# Allegro board parallella_gen1.brd (continued)
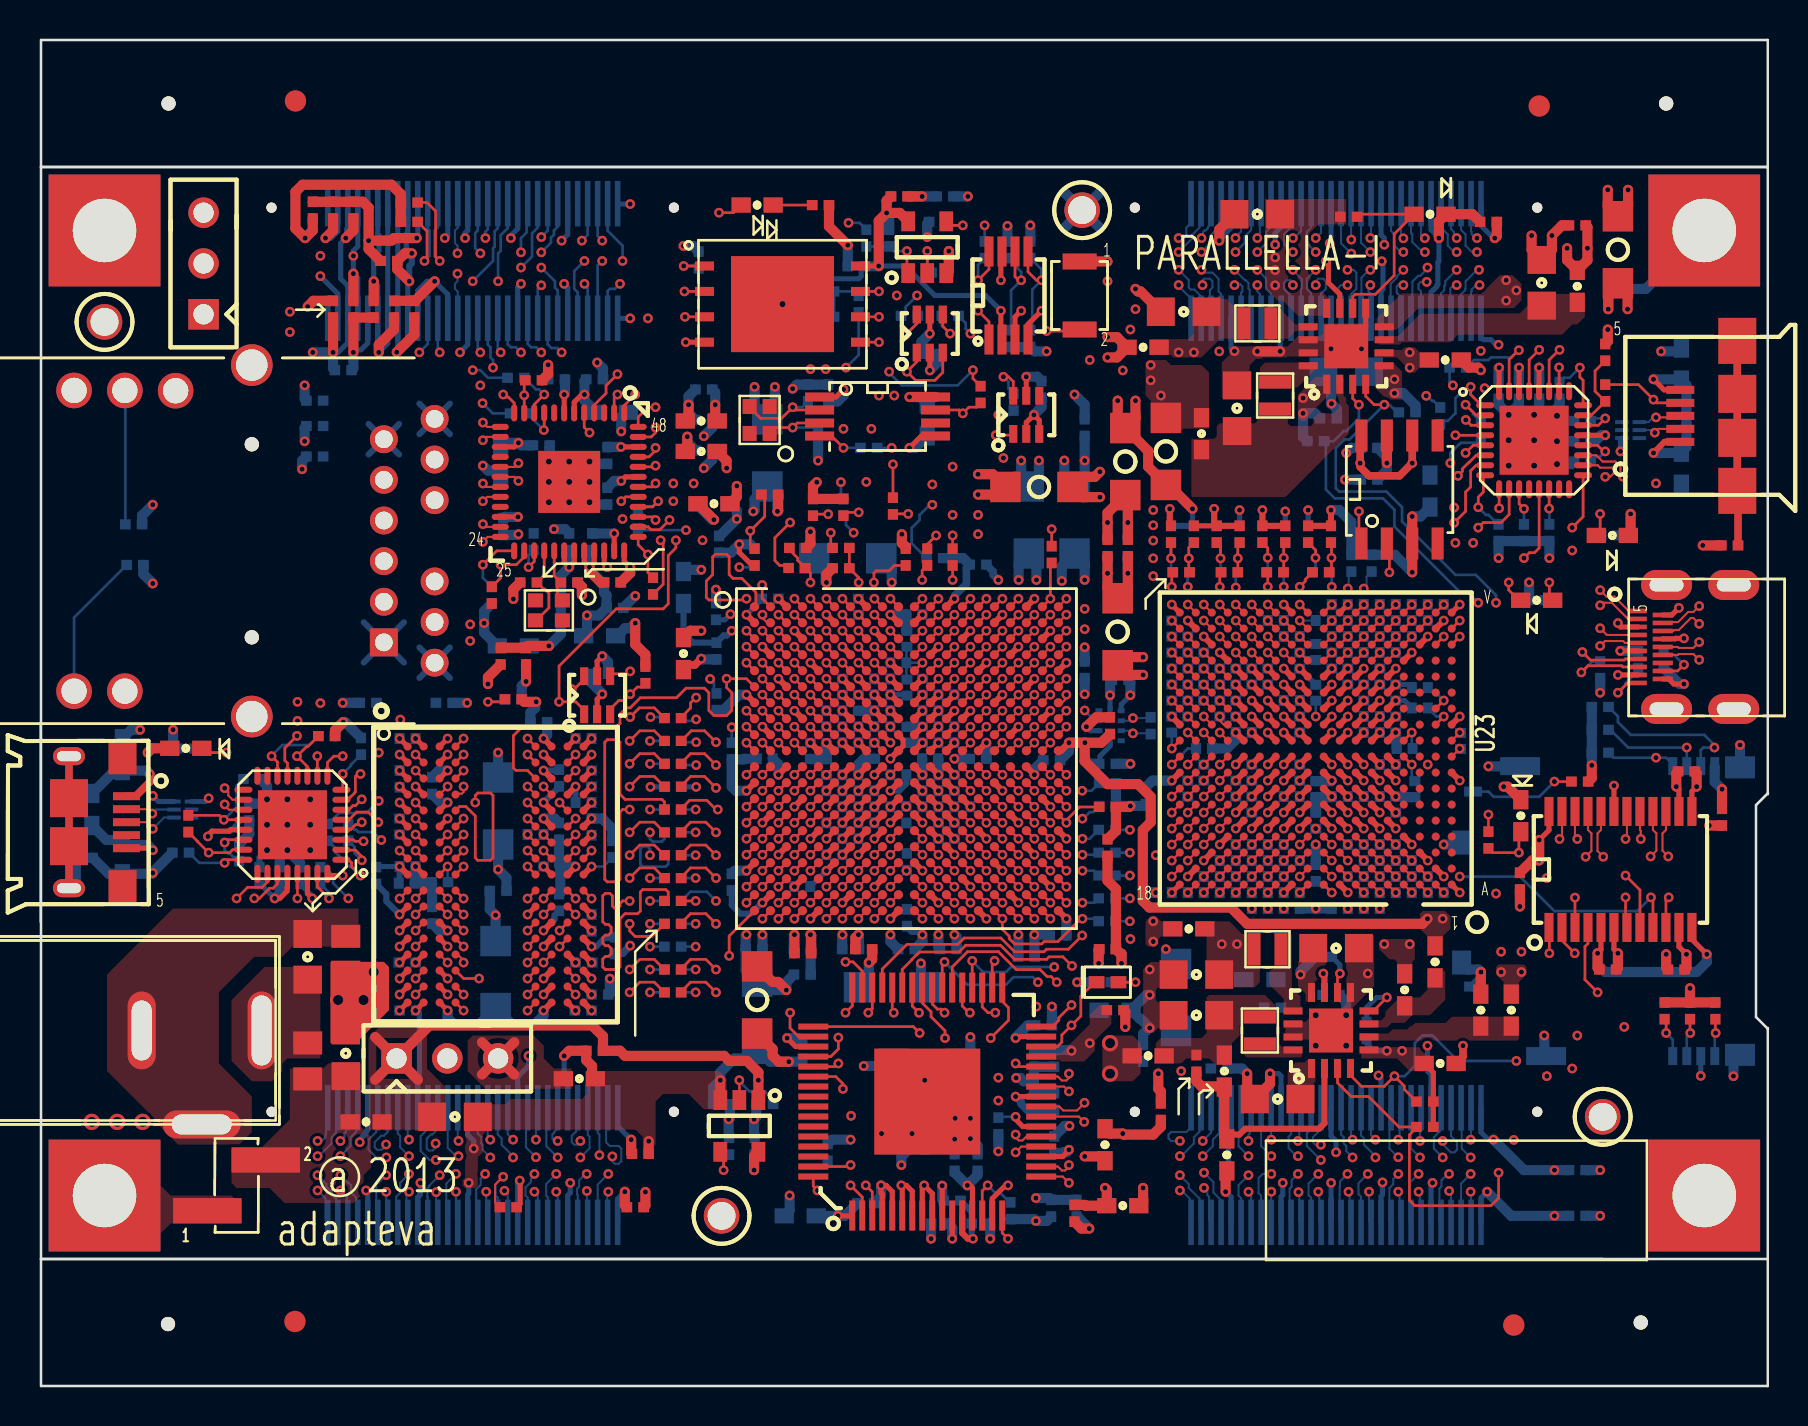
[diagram p0: board, top side]
## Routing (per net, layer and track width the routed paths; a pad name or vN(x,y) marks a point on that pad's centre or on a via; arc(x,y) is an arc through that point) (continued)
JTAG_TMS: length 45.5
  TOP w0.133: U2.J6 v1(39.33,32.97)
  L8_SIG w0.108: v1(39.33,32.97) 39.74,32.57 41.78,32.57 41.78,32.57 41.9,32.57 42.13,32.81 42.13,34.74 41.9,34.97 41.57,34.97 41.34,35.21 41.34,35.53 41.33,35.54 41.33,36.33 41.09,36.57 40.77,36.57 40.54,36.81 40.54,37.13 40.3,37.37 39.97,37.37 39.74,37.61 39.74,40.64 39.74,40.64 39.04,41.34 39.04,42.93 38.03,43.94 38.03,45.72 38.41,46.1 38.41,46.99 38.53,47.12 v1(38.53,50.85)
  L10_SIG w0.108: v1(38.53,50.85) 38.48,50.8 36.88,50.8 35.99,51.69 31.3,51.69 30.84,52.14 28.68,52.14 28.37,52.45 20.75,52.45 v1(19.99,51.69)
  BOTTOM w0.133: J13.37 19.89,51.79 v1(19.99,51.69)
MIO_VREF_501: length 3
  TOP w0.133: U2.E11 v1(44.14,36.17)
  BOTTOM w0.133: R62.2 43.34,36.94 R63.1 ; R63.1 v1(44.14,36.17) ; R63.1 43.34,35.35 C23.1
Net_67: length 0.6
  TOP w0.133: 70.61,37.08 v1(71.01,37.48)
Net_68: length 0.6
  TOP w0.133: 70.61,37.88 v1(71.01,38.28)
Net_80: length 0.6
  TOP w0.133: 69.81,37.08 v1(70.21,37.48)
Net_642: length 0.6
  TOP w0.133: 19.19,27.18 v1(18.79,27.58)
Net_643: length 0.6
  TOP w0.133: 26.39,26.38 26.39,26.38 v1(26.79,26.78)
Net_644: length 0.6
  TOP w0.133: 27.19,26.38 27.19,26.38 v1(27.59,26.78)
P0_USB_24M_REFCLK: length 56.8
  TOP w0.133: U12.26 v1(75.98,50.94)
  L3_SIG w0.108: v1(43.87,54.53) 45.01,53.39 45.01,45.72 45.39,45.34 45.77,45.34 47.42,46.99 50.09,46.99 50.98,47.88 50.98,51.56 54.16,54.74 54.16,56.52 55.68,58.04 72.95,58.04 73.59,57.4 73.59,56.01 75.62,53.98 75.62,52 75.6,51.98 75.6,51.31 v1(75.98,50.94)
  BOTTOM w0.133: R99.2 43.3,53.75 43.3,53.96 v1(43.87,54.53)
P0_USB_CLK: length 33.7
  TOP w0.133: U2.A11 v1(44.14,39.37)
  L5_SIG w0.108: v1(44.14,39.37) 44.14,39.37 44.57,39.8 44.57,40.75 45.52,41.71 46.98,41.71 49.47,44.2 49.47,46.55 51.18,48.26 58.9,48.26 59.62,47.55 63.49,47.55 64.19,48.25 68.51,48.25 69.33,49.07 v1(69.33,49.52)
  BOTTOM w0.133: v1(69.33,49.52) 69.37,49.52 69.63,49.26 69.71,49.26 R88.1
P0_USB_CPEN: length 17.6
  TOP w0.133: U13.1 65.97,42.26 v1(65.97,43.74) ; U12.17 77.18,43.47 v1(76.63,42.93)
  L5_SIG w0.108: v1(76.63,42.93) 75.87,42.16 75.11,42.16 74.73,41.78 74.73,41.15 74.48,40.89 72.44,40.89 72.27,41.07 68.81,41.07 68.8,41.09 68.62,41.09 v1(65.97,43.74)
P0_USB_D0: length 37.9
  TOP w0.133: U12.3 71.58,48.04 v1(71.31,48.31) ; U2.A14 v1(46.54,39.37)
  L5_SIG w0.108: v1(46.54,39.37) 46.47,39.43 46.47,40.43 46.75,40.71 47.4,40.71 47.64,40.94 48.13,40.94 50.74,43.55 50.74,43.57 51.74,44.58 51.74,45.09 52.91,46.25 53.61,46.25 53.99,46.64 58.11,46.64 58.6,46.15 64.17,46.15 65.08,47.06 68.49,47.06 69.4,46.15 69.4,45.71 70.35,44.75 71.81,44.75 72.7,45.64 72.7,48.06 72.44,48.31 v1(71.31,48.31)
P0_USB_D1: length 38.2
  TOP w0.133: v1(70.79,47.54) U12.4 ; U2.D15 v1(47.34,36.97)
  L5_SIG w0.108: v1(47.34,36.97) 47.74,37.37 48.3,37.37 48.54,37.61 48.54,37.93 48.78,38.17 49.1,38.17 49.34,38.41 49.34,39.56 49.58,39.8 49.89,39.8 50.23,40.15 50.23,40.58 50.85,41.2 51.36,41.2 52.83,42.67 53.65,42.67 53.9,42.93 53.9,43.74 55.11,44.95 64.7,44.95 64.92,44.72 66.76,44.72 68.76,42.72 71.12,42.72 v1(71.68,42.16)
  L8_SIG w0.108: v1(70.79,47.54) 70.79,46.53 71.43,45.9 71.43,42.42 v1(71.68,42.16)
P0_USB_D2: length 34.9
  TOP w0.133: U12.5 71.69,47.04 v1(71.3,46.66) ; U2.A12 v1(44.94,39.37)
  L5_SIG w0.108: v1(44.94,39.37) 44.94,40.68 45.65,41.39 47.04,41.39 47.52,41.87 47.71,41.87 50.47,44.63 50.47,46.91 51.44,47.88 58.65,47.88 59.36,47.17 63.62,47.17 64.44,47.99 69.78,47.99 70.73,47.04 70.92,47.04 v1(71.3,46.66)
P0_USB_D3: length 39.6
  TOP w0.133: U12.6 72.27,46.53 71.82,46.53 71.49,46.2 71.47,46.2 71.14,45.87 71.14,45.74 v1(70.92,45.52) ; U2.F12 v1(44.94,35.37)
  L5_SIG w0.108: v1(44.94,35.37) 45.34,35.77 45.34,39.78 45.25,39.87 45.25,40.61 45.76,41.13 47.16,41.13 47.48,41.45 47.74,41.45 50.84,44.55 50.84,46.64 51.69,47.5 58.4,47.5 59.04,46.85 63.74,46.85 64.57,47.68 69.52,47.68 70.65,46.55 70.7,46.55 70.94,46.32 70.94,45.99 70.92,45.97 v1(70.92,45.52)
P0_USB_D4: length 32.7
  TOP w0.133: v1(70.73,43.17) 71.3,43.74 71.3,44.7 71.55,44.96 71.55,45.77 71.83,46.04 U12.7 ; U2.C16 v1(48.14,37.77)
  L5_SIG w0.108: v1(48.14,37.77) 48.28,37.92 48.28,38.12 48.54,38.38 48.54,39.65 48.69,39.8 49.08,39.8 49.35,40.07 49.35,40.58 50.35,41.58 51.23,41.58 51.87,42.21 51.87,43.31 52.25,43.69 53.34,43.69 54.92,45.26 64.7,45.26 65.03,44.93 67.06,44.93 68.06,43.93 68.89,43.93 69.65,43.17 v1(70.73,43.17)
P0_USB_D5: length 44.5
  TOP w0.133: U12.9 v1(72.98,43.89) ; U2.A10 v1(42.53,39.37)
  L3_SIG w0.108: v1(72.25,49.9) 72.98,49.17 v1(72.98,43.89)
  L5_SIG w0.108: v1(72.25,49.9) 71.71,50.44 70,50.44 69.67,50.11 69.16,50.11 67.62,48.56 64.06,48.56 63.43,47.93 59.74,47.93 59.03,48.64 50.8,48.64 48.58,46.42 48.58,43.69 46.98,42.09 45.46,42.09 44.6,41.24 44.4,41.24 v1(42.53,39.37)
P0_USB_D6: length 38.9
  TOP w0.133: v1(71.94,42.93) 72.19,43.18 73.08,43.18 73.48,43.58 U12.10 ; U2.E13 v1(45.74,36.17)
  L5_SIG w0.108: v1(45.74,36.17) 46.14,36.57 46.7,36.57 46.94,36.81 46.94,39.57 47.42,40.06 47.42,40.44 47.68,40.69 47.75,40.69 47.77,40.71 48.33,40.71 49.96,42.34 50.73,42.34 51.11,42.72 51.11,43.43 52.12,44.45 52.12,44.96 52.38,45.21 53.9,45.21 54.57,45.88 64.43,45.88 64.7,46.15 65.39,46.15 65.84,46.6 67.62,46.6 67.97,46.25 67.97,45.68 68.82,44.82 69.4,44.82 69.84,44.37 71.05,44.37 71.43,43.99 71.43,43.43 v1(71.94,42.93)
P0_USB_D7: length 35.4
  TOP w0.133: U12.13 74.98,41.9 74.74,41.67 74.49,41.67 v1(74.22,41.4) ; U2.C18 v1(49.74,37.77)
  L5_SIG w0.108: v1(74.22,41.4) 73.59,42.04 72.57,42.04 72.05,41.52 68.95,41.52 66.28,44.18 64.82,44.18 64.71,44.3 55.48,44.3 55.17,43.99 55.17,42.04 54.79,41.66 52.83,41.66 51.74,40.56 51.74,39.17 51.54,38.97 51.17,38.97 50.93,38.73 50.93,38.41 50.7,38.17 50.2,38.17 49.99,37.96 49.93,37.96 v1(49.74,37.77)
P0_USB_DIR: length 41
  TOP w0.133: U2.C13 v1(45.74,37.77)
  L5_SIG w0.108: v1(70.67,50.04) 70.79,49.91 70.79,48.18 71.94,47.04 71.94,45.64 71.36,45.07 70.54,45.07 70.03,45.58 70.03,46.28 68.95,47.36 64.82,47.36 63.93,46.47 58.92,46.47 58.27,47.12 52.33,47.12 51.74,46.53 51.74,45.97 51.36,45.59 51.36,44.63 47.97,41.24 47.63,41.24 47.31,40.92 46.51,40.92 46.14,40.55 46.14,38.41 45.74,38.01 v1(45.74,37.77)
  BOTTOM w0.133: R83.1 70.5,50.2 v1(70.67,50.04)
P0_USB_DN: length 9.1
  TOP w0.102: v1(80.76,47.68) 80.95,47.86 J6.2 ; v1(79.17,45.47) 79.05,45.59 79.05,45.97 78.79,46.23 78.16,46.23 77.84,46.54 U12.19
  L3_SIG w0.095: v1(79.17,45.47) 78.9,45.47 78.72,45.65 78.72,45.91 78.85,46.04 79.41,46.04 80.12,46.75 80.12,47.68 80.32,47.88 80.49,47.88 80.7,47.68 v1(80.76,47.68)
  BOTTOM w0.102: TVS1.5 80.57,47.8 80.7,47.68 v1(80.76,47.68)
P0_USB_DP: length 9.1
  TOP w0.102: J6.3 81.96,48.44 v1(80.83,48.44) ; v1(78.29,45.47) 78.53,45.47 78.72,45.65 78.72,45.87 78.67,45.92 78.03,45.92 77.91,46.04 U12.18
  L3_SIG w0.095: v1(78.29,45.47) 78.41,45.59 78.41,46.09 78.67,46.35 79.29,46.35 79.82,46.88 79.82,47.81 80.44,48.44 v1(80.83,48.44)
  BOTTOM w0.102: v1(80.83,48.44) 80.68,48.44 80.44,48.2 TVS1.4
P0_USB_FLAG: length 8.9
  TOP w0.133: v1(67.49,40.69) 67.49,42 67.36,42.13 ; v1(73.46,40.18) 73.46,39.8 73.97,39.29 CR5.1
  L5_SIG w0.108: v1(73.46,40.18) 68,40.18 v1(67.49,40.69)
P0_USB_ID: length 4.1
  TOP w0.133: J6.4 80.86,49.16 v1(80.7,49.33) 79.95,50.08 R85.2
P0_USB_NXT: length 36.7
  TOP w0.133: U2.E16 v1(48.14,36.17)
  L5_SIG w0.108: v1(48.14,36.17) 48.54,36.57 49.1,36.57 49.34,36.81 49.34,37.93 49.58,38.17 49.9,38.17 50.14,38.41 50.14,39.6 50.6,40.06 50.6,40.39 51.03,40.82 51.49,40.82 52.83,42.16 54.28,42.16 54.86,42.74 54.86,44.19 55.3,44.63 64.7,44.63 64.89,44.44 66.54,44.44 68.81,42.16 v1(70.79,42.16)
  L8_SIG w0.108: v1(70.54,46.15) 70.33,45.95 70.33,42.62 v1(70.79,42.16)
  BOTTOM w0.133: v1(70.54,46.15) 70.54,46.66 70.96,47.08 70.98,47.08 71.07,47.17 71.85,47.17 R87.1
P0_USB_STP: length 41.9
  TOP w0.133: U2.C15 v1(47.34,37.77) ; v1(74.98,51.82) 74.48,51.31 U12.29
  L5_SIG w0.108: v1(70.73,43.93) 69.52,43.93 69.2,44.25 68.38,44.25 67.05,45.58 65.84,45.58 65.59,45.83 64.87,45.83 64.62,45.58 54.78,45.58 54.16,44.96 52.76,44.96 52.5,44.7 52.5,44.32 51.49,43.31 51.49,42.47 50.98,41.96 49.96,41.96 48.33,40.33 48.33,40.07 48.06,39.8 47.93,39.8 47.74,39.61 47.74,38.17 v1(47.34,37.77)
  L10_SIG w0.108: v1(74.98,51.82) 74.48,51.31 74.48,50.34 73.78,49.64 73.46,49.64 72.76,48.95 72.76,45.96 v1(70.73,43.93)
P0_VBUS: length 4.5
  TOP w0.305: J6.1 81.25,47.21 v1(80.7,46.66)
  BOTTOM w0.508: C51.1 82.35,46.95 FB8.2 82.11,46.66 v1(80.7,46.66)
P0_VBUS_DET: length 6
  TOP w0.381: U13.6 v1(68.63,46.15) 68,45.52 66.47,45.52 66.03,45.96 v1(66.03,46.15) 66.03,47.47 U13.8
  vias: v1(80.83,45.14)
P1_USB_24M_REFCLK: length 62.9
  TOP w0.133: U17.26 11.38,25.21 11.1,24.94 10.38,24.94 v1(9.83,24.38)
  L3_SIG w0.108: v1(9.83,24.38) 10.59,25.15 10.59,29.66 12.41,31.47 12.41,34.89 12.82,35.29 17.2,35.29 19.04,37.13 20.5,37.13 20.94,37.58 20.94,38.28 21.33,38.66 21.33,38.67 22.55,39.89 22.55,41.67 22.79,41.91 22.79,46.99 24.55,48.76 27.23,48.76 28.56,50.09 29.26,50.09 30.41,51.23 v1(30.41,53.39)
  L5_SIG w0.108: v1(30.41,53.39) 31.5,53.39 31.82,53.07 32.71,53.07 32.82,52.96 41.01,52.96 41.07,53.03 46.14,53.03 v1(46.54,52.63)
  BOTTOM w0.133: R110.2 46.3,53.16 46.3,52.86 v1(46.54,52.63)
P1_USB_CLK: length 43
  TOP w0.133: U2.B12 v1(44.94,38.57)
  L8_SIG w0.108: v1(14.02,34.15) 14.02,33.58 16.94,30.66 v1(16.94,29.26)
  L10_SIG w0.108: v1(44.94,38.57) 44.74,38.38 44.68,38.38 44.47,38.17 43.74,38.17 42.94,37.37 31.78,37.37 29.76,35.34 28.26,35.34 27.61,35.99 21.96,35.99 20.53,34.56 14.43,34.56 v1(14.02,34.15)
  BOTTOM w0.133: v1(16.94,29.26) 16.34,28.65 14.95,28.65 R105.1
P1_USB_D0: length 37.2
  TOP w0.133: U17.3 15.67,27.32 15.75,27.24 v1(16.18,27.24) ; U2.F13 v1(45.74,35.37)
  L10_SIG w0.108: v1(16.18,27.24) 15.69,27.74 15.67,27.74 15.67,28.5 16.04,28.86 17.11,28.86 17.82,29.58 19.29,29.58 20.1,30.38 27.87,30.38 28.2,30.72 32.59,30.72 32.65,30.65 34.39,30.65 35.09,31.35 35.67,31.35 35.67,31.36 41.96,31.36 42.38,31.77 43.33,31.77 43.68,32.12 43.68,33.11 43.93,33.37 44.29,33.37 44.53,33.61 44.53,33.93 44.78,34.17 45.1,34.17 45.33,34.41 45.33,34.73 45.74,35.13 v1(45.74,35.37)
P1_USB_D1: length 40.3
  TOP w0.133: U2.B15 v1(47.34,38.57) ; U17.4 15.53,27.82 15.78,28.07 15.9,28.07 16.03,28.19 v1(16.09,28.19)
  L10_SIG w0.108: v1(16.09,28.19) 16.55,28.65 17.2,28.65 17.32,28.78 19.76,28.78 19.99,29.01 19.99,29.34 20.16,29.51 20.16,29.52 20.22,29.58 27.98,29.58 28.77,30.37 34.56,30.37 35.17,30.98 42.37,30.98 42.37,30.97 42.98,30.97 43.49,31.48 44.06,31.48 44.53,31.96 44.53,33.13 44.77,33.37 45.09,33.37 45.33,33.61 45.33,33.93 45.57,34.17 45.89,34.17 46.13,34.41 46.13,36.33 46.38,36.57 46.7,36.57 46.93,36.81 46.93,38.17 v1(47.34,38.57)
P1_USB_D2: length 39.9
  TOP w0.133: U17.5 15.45,28.32 15.84,28.7 16.41,28.7 v1(16.92,28.19) ; U2.D16 v1(48.14,36.97)
  L10_SIG w0.108: v1(16.92,28.19) 17.13,27.98 19.48,27.98 19.99,28.49 19.99,28.54 20.22,28.78 27.94,28.78 28.73,29.56 32.47,29.56 32.57,29.46 34.47,29.46 35.17,30.17 42.93,30.17 43.74,30.98 44.31,30.98 45.34,32 45.34,33.13 45.57,33.37 45.9,33.37 46.14,33.61 46.14,33.93 46.37,34.17 46.7,34.17 46.94,34.41 46.94,36.33 47.18,36.57 47.68,36.57 47.88,36.78 47.94,36.78 v1(48.14,36.97)
P1_USB_D3: length 39.4
  TOP w0.133: v1(16.09,29.34) 15.78,29.02 15.65,29.02 15.45,28.82 U17.6 ; U2.B14 v1(46.54,38.57)
  L3_SIG w0.108: v1(16.94,31.67) 15.74,31.67 15.61,31.55 15.61,29.46 15.74,29.34 v1(16.09,29.34)
  L10_SIG w0.108: v1(16.94,31.67) 17.25,31.98 19.41,31.98 20.25,32.82 32.52,32.82 32.54,32.79 33.89,32.79 34.46,33.37 41.9,33.37 42.14,33.61 42.14,33.93 42.38,34.17 42.7,34.17 42.93,34.41 42.93,34.42 43.55,35.04 43.55,35.39 43.93,35.77 44.29,35.77 44.53,36.01 44.53,36.33 44.77,36.57 45.09,36.57 45.33,36.81 45.33,37.13 45.57,37.37 45.89,37.37 46.13,37.61 46.13,37.93 46.54,38.33 v1(46.54,38.57)
P1_USB_D4: length 37.2
  TOP w0.133: U2.D14 v1(46.54,36.97) ; U17.7 15.37,29.32 15.51,29.45 15.53,29.45 15.75,29.66 15.75,29.69 15.78,29.72 15.78,30.48 15.9,30.61 v1(16.03,30.61)
  L10_SIG w0.108: v1(16.03,30.61) 16.26,30.38 19.33,30.38 20.13,31.18 27.99,31.18 28.36,31.55 34.53,31.55 34.72,31.74 41.87,31.74 42.14,32.01 42.14,32.33 42.37,32.57 42.86,32.57 43.3,33.01 43.3,33.49 43.97,34.17 44.29,34.17 44.53,34.41 44.53,34.75 44.75,34.97 45.1,34.97 45.33,35.21 45.33,36.33 45.57,36.57 45.89,36.57 46.3,36.97 v1(46.54,36.97)
P1_USB_D5: length 36.5
  TOP w0.133: U17.9 14.38,31.18 14.7,31.5 v1(15.14,31.5) ; U2.C12 v1(44.94,37.77)
  L10_SIG w0.108: v1(15.14,31.5) 17.41,33.77 18.47,33.77 18.6,33.64 21.64,33.64 21.83,33.83 21.83,34.47 21.98,34.61 22.77,34.61 23.96,33.42 28.28,33.42 28.71,33.85 30.23,33.85 31.23,34.85 34.66,34.85 34.78,34.97 42.7,34.97 42.93,35.21 42.93,35.53 43.93,36.53 43.93,36.57 44.29,36.57 44.53,36.81 44.53,37.13 44.78,37.37 44.78,37.61 v1(44.94,37.77)
P1_USB_D6: length 38.3
  TOP w0.133: v1(13.87,31.5) 13.87,30.52 U17.10 ; U2.B13 v1(45.74,38.57)
  L10_SIG w0.108: v1(13.87,31.5) 14.35,31.5 16.94,34.09 20.63,34.09 22.04,35.5 23.09,35.5 23.87,34.72 25.07,34.72 25.39,34.4 25.39,34.09 25.66,33.82 27.23,33.82 27.61,34.2 29.95,34.2 31.52,35.77 42.7,35.77 42.93,36.01 42.93,36.32 43.42,36.82 43.42,36.86 43.93,37.37 44.29,37.37 44.53,37.61 44.53,37.93 44.77,38.17 45.33,38.17 v1(45.74,38.57)
P1_USB_D7: length 38.6
  TOP w0.133: v1(12.85,32.51) 12.25,31.9 12.25,31.28 12.38,31.15 U17.13 ; U2.B9 v1(41.73,38.57)
  L5_SIG w0.108: v1(12.85,32.51) 16.51,32.51 16.82,32.82 18.98,32.82 21.07,34.91 21.07,38.28 21.34,38.55 22.38,38.55 22.39,38.53 26.6,38.53 27.1,39.04 27.87,39.04 28.37,39.55 29.01,39.55 29.39,39.93 30.26,39.93 30.64,39.55 33.53,39.55 33.65,39.43 33.97,39.43 34.09,39.55 34.84,39.55 35.98,40.69 37.39,40.69 38.32,39.77 38.7,39.77 38.93,39.53 38.93,39.21 39.16,38.97 41.33,38.97 v1(41.73,38.57)
P1_USB_DIR: length 45.5
  TOP w0.133: U2.C17 v1(48.94,37.77)
  L10_SIG w0.108: v1(48.94,37.77) 48.53,37.37 48.53,36.75 48.35,36.57 47.97,36.57 47.73,36.33 47.73,34.41 47.5,34.17 47.18,34.17 46.94,33.93 46.94,33.61 46.7,33.37 46.38,33.37 46.14,33.13 46.14,32.01 45.9,31.77 45.58,31.77 44.54,30.73 44.54,30.41 44.3,30.17 43.98,30.17 43.17,29.37 35.17,29.37 35.03,29.23 32.42,29.23 32.36,29.29 29.3,29.29 27.99,27.98 20.11,27.98 19.74,27.61 19.74,25.83 18.85,24.94 15.98,24.94 v1(15.42,24.38)
  BOTTOM w0.133: v1(15.42,24.38) 14.66,25.15 14.66,25.53 14.4,25.78 14.19,25.78 R102.1
P1_USB_DN: length 12.4
  TOP w0.102: U17.19 9.45,28.82 9.24,29.03 v1(9.24,29.08) ; v1(5.62,28.63) 5.4,28.84 J7.2
  L10_SIG w0.095: v1(5.62,28.63) 5.87,28.37 6.28,28.37 6.91,29.01 6.91,29.82 7.8,30.71 10.09,30.71 10.47,30.33 10.47,29.46 10.16,29.16 9.31,29.16 v1(9.24,29.08)
  BOTTOM w0.102: TVS2.5 5.82,28.83 v1(5.62,28.63)
P1_USB_DP: length 12.1
  TOP w0.102: J7.3 5.31,28.19 v1(5.64,27.86) ; v1(9.24,29.9) 9.42,29.71 9.42,29.53 9.63,29.32 U17.18
  L10_SIG w0.095: v1(5.64,27.86) 5.84,28.07 6.4,28.07 7.22,28.88 7.22,29.69 7.93,30.4 9.96,30.4 10.16,30.2 10.16,29.59 10.04,29.46 9.36,29.46 9.24,29.59 v1(9.24,29.9)
  BOTTOM w0.102: v1(5.64,27.86) 6.21,28.43 TVS2.4
P1_USB_NXT: length 42.7
  TOP w0.133: U2.A9 v1(41.73,39.37)
  L3_SIG w0.108: v1(18.02,33.32) 17.43,32.73 15,32.73 14.59,32.32 14.59,28.89 15.8,27.69 16.69,27.69 v1(17.07,27.3)
  L5_SIG w0.108: v1(41.73,39.37) 41.34,39.77 40.47,39.77 39.17,41.07 35.74,41.07 34.98,40.31 33.52,40.31 33.33,40.12 31.04,40.12 30.79,40.37 28.82,40.37 28.56,40.12 26.28,40.12 25.07,38.91 21.2,38.91 20.69,38.4 20.69,35.23 19.55,34.09 18.79,34.09 v1(18.02,33.32)
  BOTTOM w0.133: R104.1 15.71,27.81 15.82,27.81 15.93,27.7 16.67,27.7 v1(17.07,27.3)
P1_USB_STP: length 42
  TOP w0.133: U2.E12 v1(44.94,36.17) ; v1(12.88,24.38) U17.29
  L10_SIG w0.108: v1(44.94,36.17) 44.94,35.93 44.53,35.53 44.53,35.21 44.3,34.97 43.93,34.97 43.93,34.93 42.93,33.93 42.93,33.61 42.7,33.37 42.38,33.37 42.14,33.13 42.14,32.81 41.9,32.57 34.98,32.57 34.2,31.8 32.49,31.8 32.44,31.85 29.34,31.85 29.21,31.98 23.8,31.98 23.6,32.18 22.1,32.18 21.9,31.98 20.22,31.98 19.43,31.18 18.61,31.18 18.6,31.17 18.16,31.17 18.15,31.18 15.94,31.18 15.54,30.78 15.54,29.96 15.04,29.46 15.04,26.86 12.88,24.7 v1(12.88,24.38)
P1_VBUS: length 5.3
  TOP w0.381: J7.1 4.78,29.49 5.49,30.2 v1(5.49,30.61)
  BOTTOM w0.508: v1(5.49,30.61) 5.32,30.77 FB10.2 3.95,30.61 3.57,30.61 2.59,29.63
PB_RESET_L: length 23.9
  TOP w0.133: v1(46.92,53.77) 47.46,53.22 U34.1 ; SW2.2 51.92,52.76 v1(50.35,52.76)
  L5_SIG w0.108: v1(50.35,52.76) 47.93,52.76 v1(46.92,53.77)
  L8_SIG w0.108: v1(46.92,53.77) 43.61,53.77 v1(42.85,54.53) 42.47,54.15 42.47,53.26 42.22,53.01 41.07,53.01 39.78,51.71 39.78,45.48 v1(40.06,45.2)
  BOTTOM w0.133: v1(40.06,45.2) 40.06,44.49 R95.1
PHY_ACTIVITY: length 27.3
  L3_SIG w0.108: J5.13 15.29,45.8 15.29,48.01 17.06,49.77 20.64,49.77 21.26,49.15 v1(22.14,49.15)
  BOTTOM w0.133: v1(22.14,49.15) 22.64,48.64 R73.2
PHY_CNFG: length 1.7
  TOP w0.133: R74.1 24.22,50.24 v1(24.22,49.54) U9.11
PHY_LED0: length 2.5
  TOP w0.133: v1(25.22,49.58) 24.72,49.08 U9.10
  BOTTOM w0.133: R72.1 24.81,49.83 24.97,49.83 v1(25.22,49.58)
PHY_LED1: length 2.1
  TOP w0.133: U9.9 25.22,47.82 v1(25.2,47.8)
  BOTTOM w0.133: v1(25.2,47.8) 24.36,48.64 R73.1
PHY_LINK: length 23.4
  L3_SIG w0.108: J5.17 3.05,48.44 7.8,48.44 8.82,49.45 14.02,49.45 14.86,50.29 20.5,50.29 21.01,50.8 v1(21.64,50.8)
  BOTTOM w0.133: R72.2 22.41,50.42 22.02,50.8 v1(21.64,50.8)
PHY_MDI0N: length 9.4
  TOP w0.102: U9.23 22.29,42.96 v1(22.15,43.1)
  L5_SIG w0.095: J5.10 19.74,45.26 19.53,45.47 18.85,45.47 18.65,45.26 18.65,42.85 18.77,42.72 22.02,42.72 22.15,42.85 v1(22.15,43.1)
PHY_MDI0P: length 9.4
  TOP w0.102: v1(22.15,42.21) 22.15,42.22 22.39,42.46 U9.24
  L5_SIG w0.095: J5.11 19.18,45.77 18.72,45.77 18.34,45.39 18.34,42.72 18.65,42.42 21.95,42.42 v1(22.15,42.21)
PHY_MDI1N: length 8.4
  TOP w0.102: v1(22.15,45.13) 22.32,44.96 U9.19
  L8_SIG w0.095: v1(22.15,45.13) 21.86,44.84 21.39,44.84 20.96,44.41 20.96,43.61 20.63,43.28 19.1,43.28 18.77,43.61 18.77,44.12 18.47,44.42 17.78,44.42 17.2,45.01 J5.5
PHY_MDI1P: length 8.5
  TOP w0.102: v1(22.15,44.25) 22.37,44.46 U9.20
  L8_SIG w0.095: J5.4 17.2,43.61 17.71,44.12 18.34,44.12 18.47,43.99 18.47,43.48 18.98,42.98 20.75,42.98 21.26,43.48 21.26,44.28 21.52,44.54 21.86,44.54 v1(22.15,44.25)
PHY_MDI2N: length 14.3
  TOP w0.102: v1(23.93,46.15) 23.74,45.96 U9.17
  L5_SIG w0.095: J5.2 17.48,39.5 18.34,39.5 18.77,39.93 18.77,40.95 19.29,41.46 22.44,41.46 23.34,42.37 23.34,43.87 23.93,44.45 24.44,44.45 24.87,44.88 24.87,45.52 24.53,45.86 24.22,45.86 v1(23.93,46.15)
PHY_MDI2P: length 14.2
  TOP w0.102: v1(23.93,45.26) 23.73,45.46 U9.18
  L5_SIG w0.095: J5.3 17.58,40.87 17.58,40.18 17.96,39.8 18.21,39.8 18.47,40.06 18.47,41.07 19.16,41.77 22.31,41.77 23.04,42.49 23.04,43.99 23.8,44.75 24.31,44.75 24.56,45.01 24.56,45.39 24.4,45.55 24.22,45.55 v1(23.93,45.26)
PHY_MDI3N: length 12.1
  TOP w0.102: U9.13 22.37,47.96 v1(22.15,48.18)
  L3_SIG w0.095: v1(22.15,48.18) 21.86,47.89 21.43,47.89 20.96,47.42 20.96,39.55 20.75,39.34 20.45,39.34 19.74,40.06 J5.9
PHY_MDI3P: length 12.2
  TOP w0.102: U9.14 22.32,47.46 v1(22.15,47.29)
  L3_SIG w0.095: J5.8 19.74,38.66 20.12,39.04 20.88,39.04 21.26,39.42 21.26,47.29 21.55,47.58 21.86,47.58 v1(22.15,47.29)
PHY_RSET: length 3.1
  TOP w0.133: U9.25 22.84,41.76 v1(22.15,41.07)
  BOTTOM w0.133: R79.1 22.15,40.41 v1(22.15,41.07)
PROG_IO: length 99.7
  TOP w0.133: U2.N20 v1(51.34,28.97)
  L3_SIG w0.108: v1(22.02,50.04) 22.02,50.42 22.11,50.51 22.11,51.05 22.64,51.58 22.64,51.85 22.66,51.87 22.66,52.2 23.8,53.34 25.33,53.34 26.72,54.74 26.72,55.75 v1(27.23,56.26)
  L10_SIG w0.108: v1(51.34,28.97) 51.1,28.97 50.69,28.57 50.37,28.57 50.13,28.33 50.13,28 49.89,27.77 49.57,27.77 49.33,27.53 49.33,27.2 49.1,26.97 47.97,26.97 47.73,27.21 47.73,27.53 47.5,27.77 42.37,27.77 42.13,27.53 42.13,27.2 41.89,26.97 41.57,26.97 41.33,26.73 41.33,26.4 41.09,26.17 40.76,26.17 40.53,25.93 40.53,25.6 40.3,25.37 39.97,25.37 39.73,25.13 39.73,24.8 39.5,24.57 39.17,24.57 38.93,24.33 38.93,24 38.7,23.77 38.37,23.77 38.13,23.53 38.13,23.2 37.9,22.97 37.38,22.97 34.6,20.19 33.58,20.19 33.33,19.94 33.33,19.18 31.42,17.27 26.85,17.27 26.72,17.4 25.96,17.4 25.83,17.27 24.18,17.27 23.17,18.29 20.25,18.29 19.61,18.92 19.61,23.62 19.26,23.97 17.04,23.97 16.94,23.88 12.75,23.88 12.37,24.26 12.37,25.27 11.86,25.78 11.86,30.86 12.12,31.12 12.12,34.16 13.13,35.18 20.12,35.18 21.01,36.07 21.01,38.35 21.64,38.99 21.64,49.66 v1(22.02,50.04)
  BOTTOM w0.133: v1(27.23,56.26) 26.72,55.75 26.72,54.86 26.89,54.69 J13.9
PS_CLK33M: length 24.1
  TOP w0.133: U2.E7 v1(40.13,36.17) ; R55.2 46.66,50.38 v1(46.66,50.8)
  L3_SIG w0.108: v1(40.13,36.17) 40.54,36.57 40.54,37.93 40.78,38.17 41.9,38.17 42.13,38.41 42.13,38.73 42.38,38.97 42.7,38.97 43,39.27 43,41.51 42.6,41.91 42.6,45.34 41.96,45.97 41.96,47.69 41.98,47.7 41.98,48.74 41.57,49.15 41.57,50.15 42.14,50.72 v1(42.47,50.72)
  BOTTOM w0.133: v1(42.47,50.72) 42.47,50.67 43.11,50.04 45.9,50.04 v1(46.66,50.8)
PS_I2C_SCL: length 62.5
  TOP w0.133: U37.2 76.12,22.28 v1(76.76,21.64) ; U2.N18 v1(49.74,28.97)
  L5_SIG w0.108: v1(76.76,21.64) 76.76,19.96 76,19.2 76,17.14 73.79,14.94 73.79,13.24 74.6,12.42 74.6,9.78 73.79,8.97 54.84,8.97 54.28,9.53 54.28,10.29 53.27,11.3 53.27,14.61 53.72,15.06 53.75,15.06 54.08,15.39 54.08,15.42 54.16,15.49 54.16,17.38 53.65,17.89 53.65,21.46 54.03,21.84 54.66,21.84 54.93,22.11 54.93,25.76 54.54,26.16 54.32,26.16 54.11,26.37 54.11,26.84 52.58,28.37 v1(52.14,28.37) 51.94,28.57 50.28,28.57 49.88,28.97 v1(49.74,28.97)
  BOTTOM w0.133: v1(52.14,28.37) 52.17,28.37 52.5,28.7 52.67,28.7 R20.2
PS_I2C_SDA: length 66
  TOP w0.133: U37.3 v1(76.77,24.42) ; U2.N17 v1(48.94,28.97)
  L5_SIG w0.108: v1(76.77,24.42) 76.3,23.95 76.3,19.94 74.73,18.36 74.73,16.38 73.49,15.14 73.49,13.18 74.22,12.45 74.22,9.91 73.59,9.27 56.44,9.27 55.17,10.54 54.78,10.54 53.58,11.73 53.58,14.48 54.79,15.68 54.79,18.54 54.28,19.05 54.28,20.57 54.66,20.95 54.66,21.35 55.28,21.97 55.28,26.56 54.66,27.18 54.35,27.18 53.46,28.07 53.46,28.44 v1(52.12,29.77)
  L10_SIG w0.108: v1(48.94,28.97) 48.94,29.19 49.34,29.59 49.34,29.93 49.57,30.17 51.73,30.17 v1(52.12,29.77)
  BOTTOM w0.133: v1(52.12,29.77) 52.59,29.77 R18.2
PS_MIO7: length 6
  TOP w0.133: U2.D8 v1(40.93,36.97) ; v1(40.95,40.18) 40.95,40.42 R45.2 R334.1
  L8_SIG w0.108: v1(40.95,40.18) 41.33,39.8 41.33,38.41 41.33,38.4 41.33,37.94 41.33,37.93 41.33,37.37 v1(40.93,36.97)
PS_POR_L: length 32.6
  TOP w0.133: v1(43.36,56.76) 43.36,55.71 U33.1 ; U2.C7 v1(40.13,37.77)
  L3_SIG w0.108: v1(43.36,56.76) 43.36,53.47 42.47,52.58 42.47,51.94 41.2,50.67 41.2,49.66 39.68,48.13 39.68,46.61 40.69,45.59 40.69,44.83 41.46,44.07 41.46,43.43 v1(40.69,42.67)
  L8_SIG w0.108: v1(40.13,37.77) 40.54,38.17 40.54,40.64 40.69,40.8 v1(40.69,42.67) ; v1(43.36,56.76) 43.37,56.76 43.87,56.26 44.63,56.26 44.88,56.52 44.88,57.02 45.27,57.4 46.28,57.4 46.92,58.04 v1(47.25,58.04)
  BOTTOM w0.133: v1(43.36,56.76) 42.7,56.76 R326.1 R98.1 ; R95.2 40.31,43.4 40.31,43.05 v1(40.69,42.67) ; R96.2 v1(47.25,58.04)
QSPI_CLK: length 27.3
  TOP w0.133: U2.A5 v1(38.53,39.37) ; R47.1 35.52,42.09 v1(35.52,42.76) 36.25,43.48 36.25,44.41 R46.1 ; U7.6 v1(41.96,53.47)
  L3_SIG w0.108: v1(35.52,42.76) 36.25,42.04 36.76,42.04 38.03,40.77 38.03,40.13 38.53,39.62 v1(38.53,39.37)
  L8_SIG w0.108: v1(38.53,39.37) 38.93,39.77 38.93,40.64 38.09,41.48 38.09,43.31 37.65,43.75 37.65,45.85 38.09,46.29 38.09,51.5 40.06,53.47 v1(41.96,53.47)
QSPI_CS_L: length 29.9
  TOP w0.133: U2.A7 v1(40.13,39.37) ; U7.1 v1(32.2,56.01)
  L3_SIG w0.108: v1(32.2,56.01) 32.69,56.01 32.95,55.75 32.95,51.69 33.17,51.46 33.9,51.46 34.01,51.57 34.01,53.49 34.12,53.59 34.55,53.59 34.66,53.49 34.66,51.57 34.77,51.46 38.69,51.46 v1(39.3,50.85)
  L8_SIG w0.108: v1(39.3,50.85) 39.3,46.46 39.31,46.44 39.31,46.11 39.3,46.1 39.3,44.88 39.93,44.25 39.93,42.93 40.19,42.67 40.19,41.15 40.13,41.1 v1(40.13,39.37)
  BOTTOM w0.133: R28.2 32.83,56.01 v1(32.2,56.01)
QSPI_IO_0: length 32.6
  TOP w0.133: U7.5 v1(41.96,52.2) ; R48.1 42.74,41.03 42.47,40.77 41.82,40.77 41.71,40.65 v1(41.71,40.18) ; U2.B8 v1(40.93,38.57)
  L8_SIG w0.108: v1(41.96,52.2) 42.34,52.2 43.36,53.21 48.06,53.21 48.19,53.09 48.19,51.69 48.06,51.56 41.33,51.56 41.2,51.43 41.2,50.03 41.08,49.91 41.08,46.48 40.82,46.22 40.82,44.7 41.46,44.07 41.46,40.77 41.71,40.51 v1(41.71,40.18)
  L10_SIG w0.108: v1(40.93,38.57) 41.33,38.97 41.33,39.8 v1(41.71,40.18)
QSPI_IO_1: length 38.1
  TOP w0.133: v1(39.42,43.6) 38.74,43.6 R51.2 ; U2.D6 v1(39.33,36.97) ; U7.2 v1(32.23,54.74)
  L3_SIG w0.108: v1(39.42,43.6) 39.04,43.22 39.04,41.27 39.74,40.58 39.74,39.09 39.61,38.97 39.17,38.97 38.93,38.73 38.93,37.37 v1(39.33,36.97)
  L8_SIG w0.108: v1(32.23,54.74) 36.25,54.74 36.38,54.86 36.38,55.12 36.25,55.24 31.68,55.24 31.42,54.99 31.42,45.9 31.68,45.64 v1(31.68,45.14)
  L10_SIG w0.108: v1(39.42,43.6) 38.17,43.6 37.26,44.5 32.31,44.5 v1(31.68,45.14)
QSPI_IO_2: length 35.2
  TOP w0.133: U7.3 v1(32.26,53.47) ; R50.2 40.35,43.69 v1(40.95,43.69) ; U2.B7 v1(40.13,38.57)
  L3_SIG w0.108: v1(40.95,43.69) 40.19,42.93 40.19,41.15 40.54,40.8 40.54,39.03 40.33,38.82 40.33,38.76 v1(40.13,38.57)
  L8_SIG w0.108: v1(32.69,45.14) 32.37,45.45 32.37,45.71 31.9,46.18 31.9,50.29 32.16,50.55 33.2,50.55 33.33,50.67 33.33,51.05 33.2,51.18 32.18,51.18 31.9,51.46 31.9,52.68 32.18,52.96 35.49,52.96 35.61,53.09 35.61,53.47 35.49,53.59 32.39,53.59 v1(32.26,53.47)
  L10_SIG w0.108: v1(40.95,43.69) 40.57,44.07 38.29,44.07 37.54,44.82 35.74,44.82 35.11,45.45 33.01,45.45 v1(32.69,45.14)
